# Altium PCB QCLogic Rev A.PcbDoc (part 2 of 3) (continued)
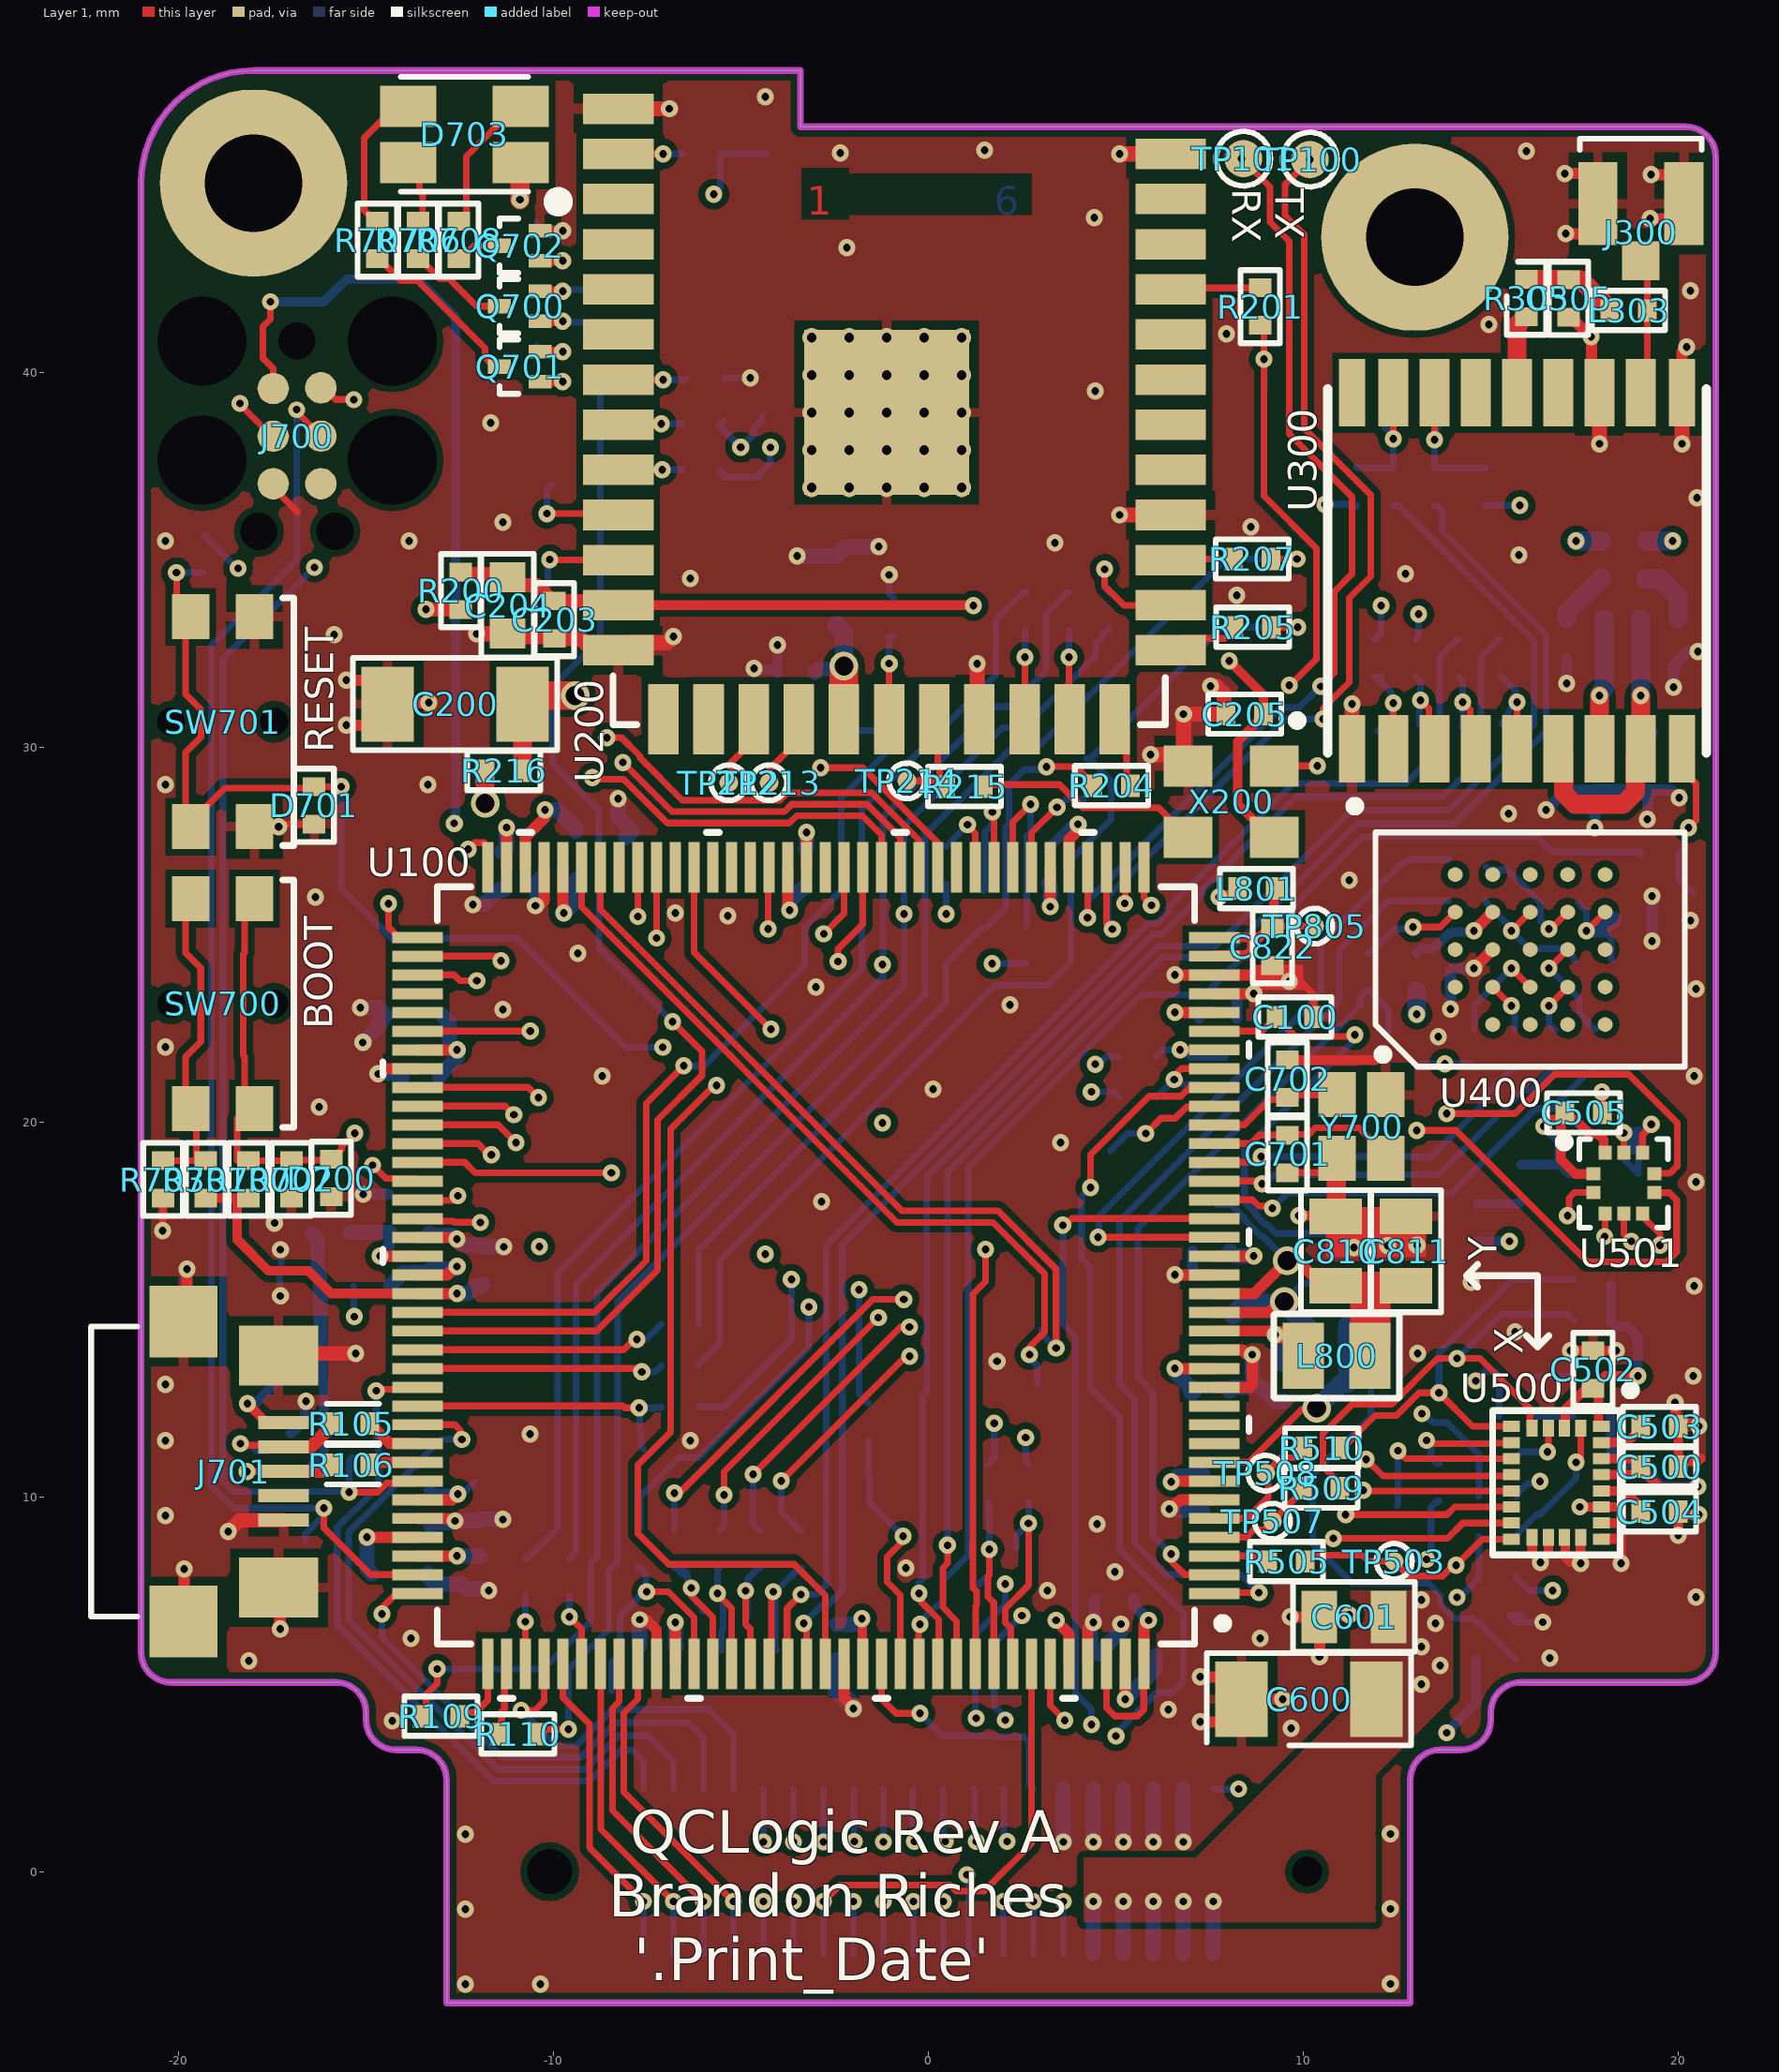
[diagram p0: Layer 1 view]
## Nets (pads, with @x,y where several pads share a name; then routed paths per layer and width w, separated by ;. In a path a pad name is that pad's centre, name@x,y a point inside that pad or via, vN(x,y) a via of type N, cw(c..) or ccw(c..) an arc to the next point about the centre after c; other vN are vias at no path point) (continued)
  Layer 6 w0.254: D702.4@-17.022,11.691 -16.986,11.691 -16.639,12.038 -16.639,12.512 v1(-16.6,12.551) ; v1(-4.65,32.1) -4.611,32.061 -4.111,32.061 C202.1@-4.025,31.975 v1(-4.025,32.725) ; C805.1@3.2,27.35 3.25,27.35 3.84,27.94 v1(3.991,27.94) ; C825.2@4.55,5.75 C825.2@4.55,5.825
  Layer 6 w0.3: v1(-15.077,18.07) C813.2@-14.399,18.07 ; C815.1@-13.31,9.186 -13.235,9.261 -12.748,9.261 -12.653,9.356 v1(-12.624,9.356) ; C806.1@-11.353,26.214 C806.1@-11.328,26.189 ; C820.1@4.479,7.283 4.427,7.231 4.427,6.677 v1(4.4,6.65) 4.372,6.621 4.372,5.929 C825.2@4.55,5.75 ; v1(6.572,15.925) 6.583,15.936 7.044,15.936 C817.1@7.044,16.554 ; C818.1@8.225,22.775 8.225,23.414 8.668,23.414 v1(8.678,23.425) ; v1(13.922,23.012) 13.922,24.022 13.99,24.089 14.54,24.089 v1(14.55,24.1) ; v1(16.475,28.325) 16.99,28.84 17.74,28.84 C300.2@17.775,28.875 ; v1(17.025,31.7) C301.1@17.025,32.3 C301.1@17.025,32.35 ; v1(17.775,27.85) C300.2@17.775,28.875 ; v1(19.175,28.075) 19.186,28.086 19.186,28.861 C302.2@19.201,28.875 ; v1(19.3,24.825) C401.2@19.3,25.425 v1(19.3,26.025) ; v1(19.875,31.6) 19.875,32.175 C303.1@20,32.3 20.25,32.55 v1(20.525,32.55) ; v1(20.025,28.65) 20.01,28.65 19.802,28.858 19.217,28.858 C302.2@19.201,28.875 ; C300.2@17.775,28.875 C302.2@19.201,28.875
  Layer 6 w0.406: v1(-15.15,23.05) -14.675,23.05 C801.2@-14.475,22.85 -14.65,22.675 -14.6,22.625 -15.085,22.14 v1(-15.085,22.123) ; v1(-14.678,21.285) -14.668,21.296 -14.082,21.296 -14.035,21.249 C802.1@-14.035,21.199 ; C823.2@-13.35,7.95 -13.35,7.875 -13.153,7.678 -12.428,7.678 -12.3,7.55 -11.825,7.55 -11.775,7.5 v1(-11.724,7.5) ; C816.2@-13.31,17.029 -13.263,16.982 -12.694,16.982 -12.588,16.876 v1(-12.574,16.876) -12.561,16.876 -12.405,16.72 -11.934,16.72 C807.1@-11.887,16.673 v1(-11.327,16.673) ; v1@-12.653,9.356 -12.647,9.362 -12.01,9.362 C808.1@-11.963,9.409 -11.952,9.398 v1(-11.351,9.398) ; v1(-12.15,25.8) -12.14,25.81 -11.833,25.81 -11.428,26.214 C806.1@-11.378,26.214 ; C806.1@-11.328,26.189 C806.1@-11.324,26.185 ; v1@-10.488,25.775 v1(-10.483,25.769) -10.483,25.807 -10.441,25.85 -10.441,26.409 C814.1@-10.35,26.5 ; v1(-8.274,28.626) -8.274,28.135 -7.9,27.76 C824.2@-8.075,27.585 ; C803.1@-7.725,6 -7.708,6.017 -7.708,6.717 v2(-7.7,6.725) ; v1(-3.5,35.1) C201.2@-2.45,35.1 -2.2,35.35 v1(-1.325,35.35) ; C809.1@-3.276,27.265 -3.249,27.292 v1(-3.249,27.726) ; v2(3.6,0.8) J600.12@3.6,2.2 ; v2(4.4,0.8) J600.10@4.4,2.2 ; C825.2@4.55,5.825 5.134,6.408 v1(5.134,6.604) ; v2(5.2,0.8) J600.8@5.2,2.2 ; v2(6,0.8) J600.6@6,2.2 ; v1(6.426,9.675) 6.44,9.675 6.469,9.647 7.279,9.647 C821.1@7.325,9.6 ; v2(6.8,0.8) J600.4@6.8,2.2 ; C819.1@8.044,12.82 8.044,12.87 8.091,12.917 8.537,12.917 8.639,13.019 ; v1(8.639,13.792) 8.639,13.157 9.246,12.55 C812.1@9.475,12.55
  Layer 6 w0.508: C804.1@-2.45,5.6 -2.434,5.6 -2.43,5.596 -2.43,4.82 -1.999,4.389 v1(-1.999,4.35)
  other v1: -12.35,-3 -10.35,-3 12.322,-2.991 -12.35,-1 12.322,-0.991 -12.35,1 12.322,1.009 9.675,3.825 -14.3,4.025 6.4,4.325 -18.125,5.625 16.575,5.7 -13.8,6.225 8.85,6.225 20.475,7.325 3.175,7.5 4.975,8 -0.6,8.102 4.5,9.275 -20.35,9.5 -20.35,11.5 -6.35,11.5 -10.625,11.675 -20.35,13 20.4,13.225 1.832,13.614 13.05,13.825 15.65,14.4 -17.285,15.359 20.425,15.625 14.475,15.725 -17.285,16.594 11.352,16.651 -17.442,17.302 9.877,17.501 -2.85,17.875 20.475,18.4 3.525,19.45 -16.25,20.4 0.125,20.875 -8.7,21.225 20.425,21.225 -20.35,22 13.6,22.275 -11.35,23 2.175,23.125 20.475,23.55 -3,23.6 -9.35,24.5 20.325,25.375 -5.35,25.5 -6.75,25.575 -16.35,26 11.225,26.45 15.475,28.225 -20.35,29 -13.35,29 -15.85,33 8.225,34.05 -6.35,34.5 12.725,34.625 15.75,35.125 3.375,35.45 -20.35,35.5 -13.85,35.5 8.6,35.875 -11.35,36 20.5,36.65 -11.675,38.65 4.45,39.5 7.95,41.025 14.95,41.275 20.325,42.175 -2.175,43.325 4.425,44.125 -2.35,45.85 15.95,45.9 1.5,45.925 -4.35,47.35
  other v3: -3.111,36.927 -2.111,36.927 -1.111,36.927 -0.111,36.927 0.889,36.927 -3.111,37.927 -2.111,37.927 -1.111,37.927 -0.111,37.927 0.889,37.927 -3.111,38.927 -2.111,38.927 -1.111,38.927 -0.111,38.927 0.889,38.927 -3.111,39.927 -2.111,39.927 -1.111,39.927 -0.111,39.927 0.889,39.927 -3.111,40.927 -2.111,40.927 -1.111,40.927 -0.111,40.927 0.889,40.927
GPS_EXTINT: L307.1 U100.126 | length 37.7
  Layer 1 w0.178: v1(-3.324,6.625) -3.25,6.551 U100.126@-3.25,5.55 U100.126@-3.287,5.513
  Layer 6 w0.178: v1(-3.324,6.625) -2.863,7.087 -2.713,7.087 -2.294,7.506 -2.294,16.719 5.989,25.002 6.227,25.002 7.307,26.082 7.307,26.185 9.797,28.675 13.729,28.675 14.735,29.681 14.735,32.409 15.2,32.875 L307.1@15.25,32.875
GPS_RESETN: L309.1 U100.132 | length 35.7
  Layer 1 w0.178: v1@-0.274,6.551 v1@-0.262,6.563 ; U100.132@-0.25,5.55 -0.262,5.562 v1@-0.262,6.563 ; v1@-0.262,6.563 v1(-0.224,6.6) -0.25,6.6 -0.262,6.588 v1@-0.262,6.563
  Layer 6 w0.178: v1(-0.224,6.6) -0.224,6.65 0.397,7.271 0.397,7.771 1.062,8.436 1.062,18.782 5.673,23.393 7.368,23.393 11.583,27.608 16.242,27.608 16.65,27.2 19,27.2 L309.1@19,27.15
GPS_RF_IN: J300.1 L303.1 U300.11 | length 3.7
  Layer 1 w0.178: U300.11@19,39.45 19.176,39.625 L303.1@19.176,41.65 19.176,42.801 J300.1@19,42.976
GPS_RXD: L305.1 U100.72 | length 33.6
  Layer 1 w0.178: v1(-12.275,27.275) -12.1,27.45 -11.85,27.45 -11.75,27.35 U100.72@-11.75,26.8
  Layer 3 w0.114: v1(-12.275,27.275) -0.083,27.275 2.458,24.733 5.482,24.733 6.832,26.082 6.832,29.942 9.195,32.306 10.606,32.306 v1(12.075,33.775)
  Layer 6 w0.178: L305.1@11.875,32.875 11.914,32.875 12.075,33.036 v1(12.075,33.775)
GPS_SCL: L304.1 U100.133 | length 42
  Layer 1 w0.178: v1(-0.249,7.425) -0.183,7.425 -0.183,7.189 0.275,6.73 0.275,5.575 U100.133@0.25,5.55
  Layer 6 w0.178: v1(-0.249,7.425) -0.249,7.722 -0.155,7.816 -0.155,12.695 -0.055,12.795 -0.055,18.527 6.115,24.697 7.666,24.697 11.289,28.319 13.876,28.319 16.15,30.594 16.15,32.83 12.531,36.45 L304.1@12.4,36.45
GPS_SDA: L302.1 U100.134 | length 41.4
  Layer 1 w0.178: v1(0.509,8.711) 0.509,8.233 0.384,8.108 0.384,7.052 0.751,6.685 U100.134@0.751,5.55
  Layer 6 w0.178: v1(0.509,8.711) 0.509,18.66 6.241,24.392 7.864,24.392 11.436,27.964 14.023,27.964 16.475,30.416 16.475,33.008 13.712,35.772 13.712,36.289 13.55,36.45 L302.1@13.5,36.45
GPS_TIME: L308.1 U100.125 | length 36.9
  Layer 1 w0.178: U100.125@-3.75,5.55 -3.75,6.106 -3.769,6.125 -3.769,7.024 v1(-3.401,7.391)
  Layer 6 w0.178: v1(-3.401,7.391) -2.983,7.391 -2.725,7.65 -2.725,16.72 5.863,25.307 6.101,25.307 6.391,25.597 6.391,25.7 9.721,29.031 12.731,29.031 13.635,29.934 13.635,32.409 14.1,32.875 L308.1@14.15,32.875
GPS_TXD: L306.1 U100.73 | length 36.7
  Layer 1 w0.178: v1(-14.4,25.825) -14.4,25.2 -14.125,24.925 U100.73@-13.625,24.925
  Layer 3 w0.114: v1(-14.4,25.825) -13.808,26.416 0.434,26.416 2.359,24.492 5.582,24.492 7.073,25.982 7.073,29.842 9.295,32.064 11.59,32.064 v1(13.075,33.55)
  Layer 6 w0.178: L306.1@13,32.875 13.075,32.95 v1(13.075,33.55)
IMU_AG_DEN: R505.1 U100.3 | length 1.5
  Layer 1 w0.178: U100.3@7.625,8.425 8.9,8.425 R505.1@9.05,8.275
IMU_AG_INT1: R503.1 TP501.1 U100.123 | length 3.7
  Layer 1 w0.178: v1(-4.874,7.493) -4.874,6.599 -4.75,6.475 U100.123@-4.75,5.55
  Layer 6 w0.178: TP501.1@-4.85,6.775 -4.841,6.783 v1@-4.841,7.435 ; v1@-4.849,7.594 -4.841,7.587 v1@-4.841,7.525 ; R503.1@-4.473,8.111 -4.523,8.111 -4.82,7.814 -4.82,7.546 v1@-4.841,7.525 ; v1@-4.841,7.435 v1@-4.841,7.525 ; v1@-4.841,7.435 -4.874,7.468 v1(-4.874,7.493) v1@-4.841,7.525
IMU_AG_INT2: R504.1 TP502.1 U100.122 | length 4.3
  Layer 1 w0.178: v1(-5.624,7.425) -5.624,7.405 -5.25,7.03 U100.122@-5.25,5.55
  Layer 6 w0.178: R504.1@-5.564,8.111 -5.624,8.05 -5.624,7.405 -5.475,7.255 -5.475,6.467 -5.525,6.417 TP502.1@-5.525,5.9
IMU_CS_AG: R511.1 TP509.1 U100.136 | length 5.4
  Layer 1 w0.178: v1(1.626,8.6) 1.626,7.911 1.59,7.875 1.59,7.335 1.743,7.183 1.743,5.558 U100.136@1.75,5.55
  Layer 6 w0.178: TP509.1@1.358,7.675 1.626,7.944 v1(1.626,8.6) 1.626,9.811 R511.1@1.577,9.86
IMU_CS_MAG: R512.1 TP510.1 U100.137 | length 5.4
  Layer 1 w0.178: U100.137@2.25,5.55 2.198,5.602 2.198,6.492 2.073,6.617 2.073,6.623 2.048,6.648 2.048,7.017 2.67,7.639 v1(2.67,9.296)
  Layer 6 w0.178: TP510.1@2.35,8.65 2.35,8.977 v1(2.67,9.296) 2.67,9.852 R512.1@2.677,9.86
IMU_INT_MAG: R502.1 TP500.1 U100.124 | length 4.6
  Layer 1 w0.178: U100.124@-4.25,5.55 -4.191,5.609 -4.191,7.415 v1(-4.137,7.468)
  Layer 6 w0.178: TP500.1@-4.05,5.925 -4.093,5.969 -4.093,7.424 v1(-4.137,7.468) -4.075,7.468 -3.433,8.111 R502.1@-3.383,8.111
IMU_MAG_DRDY: R506.1 TP504.1 U100.121 | length 4
  Layer 1 w0.178: v1(-6.323,7.567) -6.323,7.368 -5.75,6.794 U100.121@-5.75,5.55
  Layer 6 w0.178: R506.1@-6.779,8.111 -6.729,8.111 R506.1@-6.568,7.95 ; R506.1@-6.654,8.111 -6.604,8.111 -6.443,7.95 -6.443,7.824 -6.377,7.759 -6.377,7.621 v1(-6.323,7.567) -6.27,7.514 -6.27,7.283 -6.025,7.037 TP504.1@-6.025,6.95
IMU_SCL: R507.1 R517.2 TP505.1 U100.66 | length 40.1
  Layer 1 w0.178: U100.66@-8.75,26.8 -8.75,25.669 -0.708,17.628 1.854,17.628 3.406,16.075 v1(3.406,13.97)
  Layer 3 w0.114: v1(3.406,13.97) 4.839,12.538 9.151,12.538 9.803,13.189 13.788,13.189 15.097,11.88 15.097,8.109 14.377,7.389 14.165,7.389 v2(14.1,7.325)
  Layer 6 w0.178: TP505.1@3.025,14.475 3.025,14.351 v1(3.406,13.97) ; v2(14.1,7.325) 14.153,7.377 14.234,7.377 14.689,7.832 R517.2@14.689,7.882 R507.1@14.689,8.947
IMU_SDA: R508.1 R518.2 TP506.1 U100.67 | length 35.4
  Layer 1 w0.178: U100.67@-9.25,26.8 -9.25,25.738 -0.835,17.323 1.728,17.323 3.102,15.949 3.102,14.402 2.695,13.995 v1(2.695,13.792)
  Layer 3 w0.114: v1(2.695,13.792) 2.771,13.792 4.267,12.296 9.251,12.296 9.887,12.932 12.141,12.932 12.855,12.217 v1(13.16,12.217)
  Layer 6 w0.178: v1(2.695,13.792) 2.695,13.717 2.895,13.517 2.895,13.005 TP506.1@2.9,13 ; v1(13.16,12.217) 13.217,12.217 13.455,11.98 13.836,11.98 14.689,11.126 R508.1@14.689,11.076 R518.2@14.689,10.012
IMU_SDO_AG: R509.1 TP507.1 U100.4 | length 3
  Layer 1 w0.178: U100.4@7.625,8.925 8.481,8.925 8.676,9.12 8.946,9.12 TP507.1@9.175,9.35 9.825,9.999 9.825,10.161 R509.1@9.976,10.312
IMU_SDO_MAG: R510.1 TP508.1 U100.5 | length 3.6
  Layer 1 w0.178: U100.5@7.625,9.425 8.5,9.425 9.061,9.985 9.061,10.571 TP508.1@8.999,10.633 9.407,11.04 9.832,11.04 9.993,11.201 R510.1@9.993,11.251
LED_B: Q700.1 R709.1 U100.49 | length 24.1
  Layer 1 w0.178: v1(-8.574,30.251) -8.182,30.251 -7.689,29.758 -7.689,29.713 -6.56,28.584 -3.965,28.584 -3.765,28.784 -1.515,28.784 -0.25,27.519 U100.49@-0.25,26.8
  Layer 1 w0.254: Q700.1@-10.353,41.362 v1(-9.753,41.362)
  Layer 3 w0.114: v1(-9.753,41.362) -9.341,40.95 -9.341,34.834 -9.99,34.185 -9.99,31.141 -9.1,30.251 v1(-8.574,30.251)
  Layer 6 w0.178: v1(-9.753,41.362) -9.722,41.331 -9.081,41.331 R709.1@-9.05,41.3
LED_G: Q701.1 R710.1 U100.50 | length 22.1
  Layer 1 w0.178: v1(-8.151,29.591) -8.147,29.591 -6.835,28.279 -3.839,28.279 -3.643,28.476 -1.637,28.476 -0.75,27.588 U100.50@-0.75,26.8
  Layer 1 w0.254: Q701.1@-10.353,39.75 v1(-9.753,39.75)
  Layer 3 w0.114: v1(-9.753,39.75) -9.687,39.683 -9.687,34.831 -10.231,34.286 -10.231,31.041 -8.781,29.591 v1(-8.151,29.591)
  Layer 6 w0.178: R710.1@-10.45,39.7 -10.425,39.725 -9.778,39.725 v1(-9.753,39.75)
LED_R: Q702.1 R711.1 U100.51 | length 25.6
  Layer 1 w0.178: v1(-8.963,29.185) -8.925,29.146 -8.133,29.146 -6.961,27.975 -3.713,27.975 -3.517,28.171 -1.764,28.171 -1.25,27.657 U100.51@-1.25,26.8
  Layer 1 w0.254: Q702.1@-10.353,42.975 v1(-9.753,42.975)
  Layer 3 w0.114: v1(-9.753,42.975) -10.275,42.454 -10.275,39.498 -10.725,39.048 -10.725,34.525 -10.472,34.273 -10.472,30.694 v1(-8.963,29.185)
  Layer 6 w0.178: R711.1@-10.45,43 -10.437,42.987 -9.766,42.987 v1(-9.753,42.975)
LPS_CS: R520.2 U501.6 | length 31.7
  Layer 1 w0.178: v1(13.025,19.775) 14.075,19.775 17.582,16.269 19.694,16.269 19.955,16.529 19.955,17.921 19.763,18.112 19.36,18.112 U501.6@19.358,18.114
  Layer 3 w0.114: v1(-1.85,15.525) -1.655,15.719 1.09,15.719 1.105,15.705 1.846,15.705 ; 1.847,15.705 5.24,15.705 6.048,16.513 6.048,18.444 7.645,20.041 12.5,20.041 12.765,19.775 v1(13.025,19.775)
  Layer 6 w0.178: v1(-1.85,15.525) -1.85,12.75 R520.2@-1.6,12.5
LPS_INT: R519.2 U501.7 | length 37.5
  Layer 1 w0.178: v1(13.827,20.226) 15.651,20.226 16.7,21.275 18.675,21.275 19.975,19.975 19.975,18.825 19.779,18.629 19.372,18.629 U501.7@19.358,18.614
  Layer 3 w0.114: v1(-3.19,15.066) -2.295,15.961 1.19,15.961 1.205,15.946 1.746,15.946 ; 1.747,15.947 5.14,15.947 5.807,16.613 5.807,18.544 7.545,20.282 13.771,20.282 v1(13.827,20.226)
  Layer 6 w0.178: R519.2@-7.744,9.111 -7.693,9.161 -7.693,10.006 -6.65,11.05 -6.125,11.05 -3.19,13.984 v1(-3.19,15.066)
LPS_MISO: R523.2 U501.5 | length 19.5
  Layer 1 w0.178: U501.5@19.045,17.551 19.045,17.483 19.51,17.018 v1(19.51,16.713)
  Layer 3 w0.114: v1(4.448,21.539) 5.707,21.539 6.506,22.338 7.463,22.338 8.679,21.121 14.198,21.121 16.78,18.539 17.365,18.539 17.611,18.294 17.93,18.294 v1(19.51,16.713)
  Layer 6 w0.178: v1(4.448,21.539) 4.549,21.539 4.753,21.742 R523.2@5.091,21.742
LPS_MOSI: R522.2 U501.4 | length 17.9
  Layer 1 w0.178: U501.4@18.545,17.551 18.545,17.018 v1(18.748,16.815)
  Layer 3 w0.114: v1(4.346,20.803) 5.568,20.803 5.72,20.65 7.002,20.65 7.232,20.88 14.098,20.88 16.68,18.298 17.265,18.298 v1(18.748,16.815)
  Layer 6 w0.178: v1(4.346,20.803) 4.941,20.803 R522.2@5.091,20.653
LPS_SCLK: R521.2 U501.2 | length 31.2
  Layer 1 w0.178: v1(17.046,17.501) 17.084,17.539 17.084,17.97 17.228,18.114 U501.2@17.732,18.114
  Layer 3 w0.114: v1(-3.655,15.799) -2.801,15.799 -2.398,16.202 1.29,16.202 1.305,16.187 1.646,16.187 ; 1.647,16.188 5.04,16.188 5.565,16.713 5.565,18.644 7.561,20.639 13.998,20.639 17.046,17.59 v1(17.046,17.501)
  Layer 6 w0.178: R521.2@-6.125,12.4 -5.45,12.4 -3.655,14.195 v1(-3.655,15.799)
LSM_AG_DEN: R505.2 TP503.1 U500.13 | length 6.2
  Layer 1 w0.178: R505.2@10.05,8.275 10.05,8.284 10.212,8.445 11.575,8.445 11.741,8.28 TP503.1@12.423,8.28 12.817,7.887 13.712,7.887 14,8.175 v1(14.075,8.175) 14.77,8.87 U500.13@15.55,8.87
LSM_CS_AG: R511.2 R515.1 U500.7 | length 16.2
  Layer 1 w0.178: v1(13.287,11.506) 13.287,11.481 13.351,11.417 14.967,11.417 14.979,11.43 15.53,11.43 U500.7@15.55,11.45
  Layer 3 w0.114: v1@1.762,11.97 1.992,12.2 2.763,12.2 3.184,11.779 12.994,11.779 13.267,11.506 v1(13.287,11.506)
  Layer 2 w0.114: v1(1.755,11.963) v1@1.762,11.97
  Layer 6 w0.178: R511.2@1.577,10.86 1.755,11.038 v1(1.755,11.963) ; v1(13.287,11.506) 13.287,11.431 13.407,11.311 13.407,11.05 13.568,10.889 R515.1@13.618,10.889
LSM_CS_MAG: R512.2 R516.1 U500.8 | length 15.4
  Layer 1 w0.178: v1(12.525,11.227) 12.732,11.02 U500.8@15.55,11.02
  Layer 3 w0.114: v1(2.594,11.582) 2.638,11.538 12.214,11.538 v1(12.525,11.227)
  Layer 6 w0.178: v1@2.577,11.582 v1(2.594,11.582) 2.594,10.944 R512.2@2.677,10.86 ; R516.1@12.504,9.771 12.525,9.792 v1(12.525,11.227)
LSM_INT_A/G1: R503.2 U500.11 | length 27.1
  Layer 1 w0.178: v1(-4.675,10.6) -0.746,14.529 v1(-0.505,14.529) ; v1(11.128,9.525) 13.829,9.525 14.034,9.73 U500.11@15.55,9.73
  Layer 3 w0.114: v1(-0.505,14.529) -0.505,14.478 -0.912,14.071 -0.912,13.305 1.822,10.571 4.429,10.571 5.738,9.263 10.288,9.263 10.55,9.525 v1(11.128,9.525)
  Layer 6 w0.178: v1(-4.675,10.6) -4.675,9.272 -4.513,9.111 R503.2@-4.473,9.111
LSM_INT_A/G2: R504.2 U500.12 | length 28
  Layer 1 w0.178: v1(-5.45,10.05) -5.45,10.668 v1(-1.334,14.783) ; v1(10.798,8.89) 13.846,8.89 14.256,9.3 U500.12@15.55,9.3
  Layer 3 w0.114: v1(-1.334,14.783) -1.334,13.386 1.722,10.33 4.271,10.33 5.71,8.89 v1(10.798,8.89)
  Layer 2 w0.114: v1@10.668,9.068 10.798,8.938 v1(10.798,8.89)
  Layer 6 w0.178: R504.2@-5.564,9.111 -5.45,9.225 v1(-5.45,10.05)
LSM_INT_MAG: R502.2 U500.10 | length 24.2
  Layer 1 w0.178: v1(-3.925,10.425) -0.6,13.75 v1(-0.5,13.75) ; v1(11.602,10.175) 11.617,10.16 U500.10@15.55,10.16
  Layer 3 w0.114: v1(-0.5,13.75) 0.859,12.391 0.859,11.875 1.921,10.813 10.958,10.813 11.595,10.175 v1(11.602,10.175)
  Layer 6 w0.178: v1(-3.925,10.425) -3.925,9.602 -3.433,9.111 R502.2@-3.383,9.111
LSM_MAG_DRDY: R506.2 U500.9 | length 28.3
  Layer 1 w0.178: v1(-6.775,10.1) -6.646,10.1 -1.48,15.265 v1(-0.658,15.265) ; v1(11.675,11) 12.122,10.554 15.514,10.554 U500.9@15.55,10.59
  Layer 3 w0.114: v1(-0.658,15.265) 1.1,13.507 1.1,11.975 2.021,11.054 11.621,11.054 v1(11.675,11)
  Layer 6 w0.178: R506.2@-6.779,9.111 -6.775,9.115 v1(-6.775,10.1)
LSM_SCL: R507.2 U500.2 | length 3.6
  Layer 1 w0.178: v1(17.275,10.922) 17.395,11.043 U500.2@17.395,11.825
  Layer 6 w0.178: R507.2@15.689,8.947 15.689,8.997 16.225,9.533 16.318,9.533 17.275,10.49 v1(17.275,10.922)
LSM_SDA: R508.2 U500.4 | length 1.5
  Layer 1 w0.178: v1(16.513,11.201) 16.535,11.224 U500.4@16.535,11.825
  Layer 6 w0.178: R508.2@15.689,11.076 15.814,11.201 v1(16.513,11.201)
LSM_SDO_AG: R509.2 R513.1 U500.5 | length 12.7
  Layer 1 w0.178: R509.2@10.976,10.312 10.976,10.362 10.527,10.81 10.527,11.691 11.308,12.471 12.354,12.471 13.574,13.691 v1(14.1,13.691) 14.714,13.691 16.044,12.36 16.044,11.886 U500.5@16.105,11.825
  Layer 6 w0.178: v1(14.1,13.691) 15.284,14.875 17.038,14.875 R513.1@17.207,14.707
LSM_SDO_MAG: R510.2 R514.1 U500.6 | length 11
  Layer 1 w0.178: R510.2@10.993,11.251 11.908,12.167 12.481,12.167 13.09,12.776 v1(13.617,12.776) 14.513,11.88 U500.6@15.55,11.88
  Layer 6 w0.178: v1(13.617,12.776) 13.617,13.837 15.577,15.796 R514.1@17.207,15.796
MAX-M8_EXTINT: L307.2 TP304.1 U300.5 | length 2.9
  Layer 1 w0.178: U300.5@15.7,29.95 v1(15.7,31.2)
  Layer 6 w0.178: L307.2@15.25,31.875 15.3,31.875 15.657,31.519 v1@15.657,31.244 ; TP304.1@15.3,30.625 15.649,31.23 v1@15.657,31.244 ; v1(15.7,31.2) v1@15.657,31.244
MAX-M8_RESETN: L309.2 TP306.1 U300.9 | length 4.4
  Layer 1 w0.178: U300.9@20.1,29.95 20.1,29.4 20.47,29.031 20.47,28.044 v1(20.275,27.85)
  Layer 6 w0.178: v1(20.275,27.85) 20.275,27.788 20.162,27.674 20.162,27.311 L309.2@20,27.15 20,26.5 TP306.1@20.4,26.1
MAX-M8_RXD: L306.2 TP303.1 U300.3 | length 2.8
  Layer 1 w0.178: v1(13.125,31.25) 13.35,31.025 13.35,30.1 U300.3@13.5,29.95
  Layer 6 w0.178: L306.2@13,31.875 13.125,31.75 v1(13.125,31.25) 13.1,31.225 TP303.1@13.1,30.6
MAX-M8_SCL: L304.2 R304.2 TP301.1 U300.17 | length 3.9
  Layer 1 w0.178: v1(12.4,38.225) U300.17@12.4,39.45
  Layer 6 w0.178: R304.2@11.413,37.463 R304.2@11.425,37.45 12.4,37.45 v1(12.4,38.225) 12.4,38.301 12.175,38.526 TP301.1@12.175,39.075
MAX-M8_SDA: L302.2 R303.2 TP300.1 U300.16 | length 4.3
  Layer 1 w0.178: v1(13.5,38.2) U300.16@13.5,39.45
  Layer 6 w0.178: TP300.1@13.65,39.125 13.65,38.608 13.554,38.512 13.554,38.253 v1(13.5,38.2) 13.5,37.45 L302.2@13.709,37.45 R303.2@14.851,37.45
MAX-M8_TIME: L308.2 TP305.1 U300.4 | length 2.8
  Layer 1 w0.178: v1(14.25,31.2) 14.45,31 14.45,30.1 U300.4@14.6,29.95
  Layer 6 w0.178: L308.2@14.15,31.875 14.25,31.775 v1(14.25,31.2) 14.25,30.575 TP305.1@14.225,30.55
MAX-M8_TXD: L305.2 TP302.1 U300.2 | length 3.2
  Layer 1 w0.178: U300.2@12.4,29.95 v1(12.4,31.175)
  Layer 6 w0.178: L305.2@11.875,31.875 11.925,31.875 12.347,31.453 12.347,31.228 v1@12.357,31.219 ; TP302.1@12,30.425 12.357,30.781 v1@12.357,31.219 ; L305.2@12.025,31.875 L305.2@12.075,31.875 ; v1(12.4,31.175) v1@12.357,31.219
MCU_BOOT: D700.2 R700.2 R702.1 SW700.1 SW700.3 U100.135 | length 40.2
  Layer 1 w0.178: SW700.3@-18.174,25.958 -18.24,25.892 -18.24,24.509 -18.275,24.474 -18.275,21.776 -18.24,21.742 -18.24,20.358 -18.174,20.358 -18.434,20.098 -18.434,18.966 R700.2@-18.134,18.966 -17.442,18.966 R702.1@-16.992,18.966 -16.975,18.983 -15.942,18.983 D700.2@-15.925,19 -15.65,19.275 -15.65,19.35 v1(-15.3,19.7) ; U100.135@1.25,5.55 1.26,5.56 1.26,7.08 1.286,7.106 1.286,7.474 1.184,7.576 1.184,8.414 1.182,8.416 1.182,8.785 1.184,8.787 1.184,15.405 1.526,15.747 v1(1.526,16.601)
  Layer 3 w0.114: v1(-15.3,19.7) -13.4,19.7 v1(-10.375,16.675)
  Layer 3 w0.178: v1(-4.35,16.475) 1.003,16.475 1.129,16.601 v1(1.526,16.601)
  Layer 4 w0.114: v1(-10.375,16.675) -4.55,16.675 v1(-4.35,16.475)
MCU_CORE: C814.2 C815.2 TP803.1 U100.68 U100.103 U100.140 | length 45
  Layer 1 w0.3: U100.103@-13.625,9.925 -12.7,9.925 v1(-12.55,10.075) ; U100.68@-9.75,26.8 -9.75,25.788 -9.724,25.763 v1(-9.724,25.576) ; v1(3.406,6.706) 3.406,6.69 3.75,6.346 U100.140@3.75,5.55
  Layer 4 w0.457: -13.31,9.966 -13.201,10.075 v1(-12.55,10.075)
  Layer 4 w0.635: v1(-9.724,25.576) -10.228,25.073 -12.002,25.073 -13.31,23.765 -13.31,9.966 -13.31,8.173 -12.57,7.433 -12.57,7.394 -11.172,5.996 -7.094,5.996 -7.054,5.955 -3.606,5.955 -3.603,5.952 -3.045,5.952 -2.94,6.058 -0.683,6.058 -0.578,5.953 -0.528,5.953 -0.503,5.927 0.055,5.927 0.08,5.953 2.654,5.953 v1(3.406,6.706)
  Layer 6 w0.178: v1(-12.55,10.075) -12.425,10.075 TP803.1@-12.1,10.4
  Layer 6 w0.3: C815.2@-13.31,10.186 -13.199,10.075 v1(-12.55,10.075)
  Layer 6 w0.406: v1(-9.724,25.576) -9.396,25.904 -9.396,26.453 C814.2@-9.35,26.5
NetC503_2: C503.2 U500.24 | length 1.3
  Layer 1 w0.254: U500.24@17.95,11.45 18.625,11.45 19,11.825 C503.2@19,11.875
NetC504_1: C504.1 U500.21 | length 1.4
  Layer 1 w0.254: U500.21@17.95,10.16 18.565,10.16 19,9.725 C504.1@19,9.6
NetC701_1: C701.1 U100.25 Y700.3 | length 5.4
  Layer 1 w0.178: U100.25@7.625,19.425 8.597,19.425 8.822,19.65 C701.1@9.575,19.65 ; C701.1@9.575,19.725 C701.1@9.575,19.65 ; Y700.3@11.95,18.9 Y700.3@11.95,19.005 ; Y700.3@12.05,18.9 Y700.3@12.05,19 ; Y700.3@12.2,19.025 12.2,19.125 11.616,19.709 11.616,19.714 11.49,19.841 10.311,19.841 10.142,19.672 9.598,19.672 C701.1@9.575,19.65
NetC702_1: C702.1 U100.26 Y700.1 | length 3.6
  Layer 1 w0.178: U100.26@7.625,19.925 8.425,19.925 9.1,20.6 9.525,20.6 C702.1@9.575,20.65 9.65,20.725 Y700.1@10.9,20.725
NetD703_2: D703.2 R706.2 | length 1.8
  Layer 1 w0.178: D703.2@-13.875,45.6 -13.575,45.3 -13.575,44.825 -13.487,44.738 -13.487,44.15 R706.2@-13.612,44.025
NetD703_3: D703.3 R707.2 | length 3.9
  Layer 1 w0.178: R707.2@-14.7,44.025 -14.75,44.025 -15.05,44.325 -15.05,46.25 -14.2,47.1 D703.3@-13.875,47.1
NetD703_4: D703.4 R708.2 | length 3.9
  Layer 1 w0.178: R708.2@-12.525,44.025 -12.486,44.025 R708.2@-12.325,44.186 ; R708.2@-12.325,44.1 R708.2@-12.325,44.186 ; D703.4@-10.875,47.1 -10.98,47.1 -12.325,45.755 R708.2@-12.325,44.186
NetJ700_3: J700.3 R704.2 | length 8.7
  Layer 1 w0.178: v2(-18.361,39.167) -18.361,39.147 -17.511,38.296 J700.3@-17.476,38.296
  Layer 3 w0.178: v2(-18.412,34.773) -17.477,34.773 -16.925,35.325 -16.925,37.675 -18.361,39.112 v2(-18.361,39.167)
  Layer 6 w0.178: R704.2@-19.277,35.654 R704.2@-19.327,35.654 -19.165,35.493 -19.165,35.489 -18.5,34.823 v2@-18.412,34.823
NetJ701_1: J701.1 R705.1 | length 2.4
  Layer 1 w0.254: v1(-18.161,12.486) -17.729,12.055 -17.729,12.051 -17.653,11.975 J701.1@-17.201,11.975
  Layer 6 w0.254: v1(-18.161,12.486) -18.122,12.525 -17.919,12.525 -17.246,13.198 R705.1@-17.246,13.248
NetL300_1: L300.1 R300.2 | length 1.5
  Layer 6 w0.508: L300.1@17.025,33.425 17.029,33.429 17.029,33.596 17.933,34.5 R300.2@17.975,34.5
NetL301_1: L301.1 R302.2 | length 1.7
  Layer 6 w0.508: R302.2@19.125,34.5 19.129,34.496 R302.2@19.154,34.496 ; R302.2@19.192,34.5 19.15,34.5 R302.2@19.154,34.496 ; L301.1@20,33.425 19.996,33.429 19.996,34.004 19.504,34.496 R302.2@19.154,34.496
NetL500_1: L500.1 R500.2 | length 1
  Layer 6 w0.178: R500.2@16.225,13.225 L500.1@17.2,13.225
NetL501_1: L501.1 R501.2 | length 1
  Layer 6 w0.178: R501.2@16.225,12.15 L501.1@17.2,12.15
NetL502_1: L502.1 R524.2 | length 1.2
  Layer 6 w0.254: R524.2@14.636,17.823 15.718,17.823 15.76,17.864 L502.1@15.802,17.864